# Altium PCB STM32_PLC.PcbDoc (part 3 of 3)
Units mm, origin at the board's own origin, x right, y up, seen from the top; angles counter-clockwise.
Board outline 150 x 150 mm, 4 copper layers ([L1] TOP, [L2] GND, [L3] POWER, [L4] BOTTOM), stack 1.58 mm thick; 307 components, 251 nets, 964 pads, 318 vias.
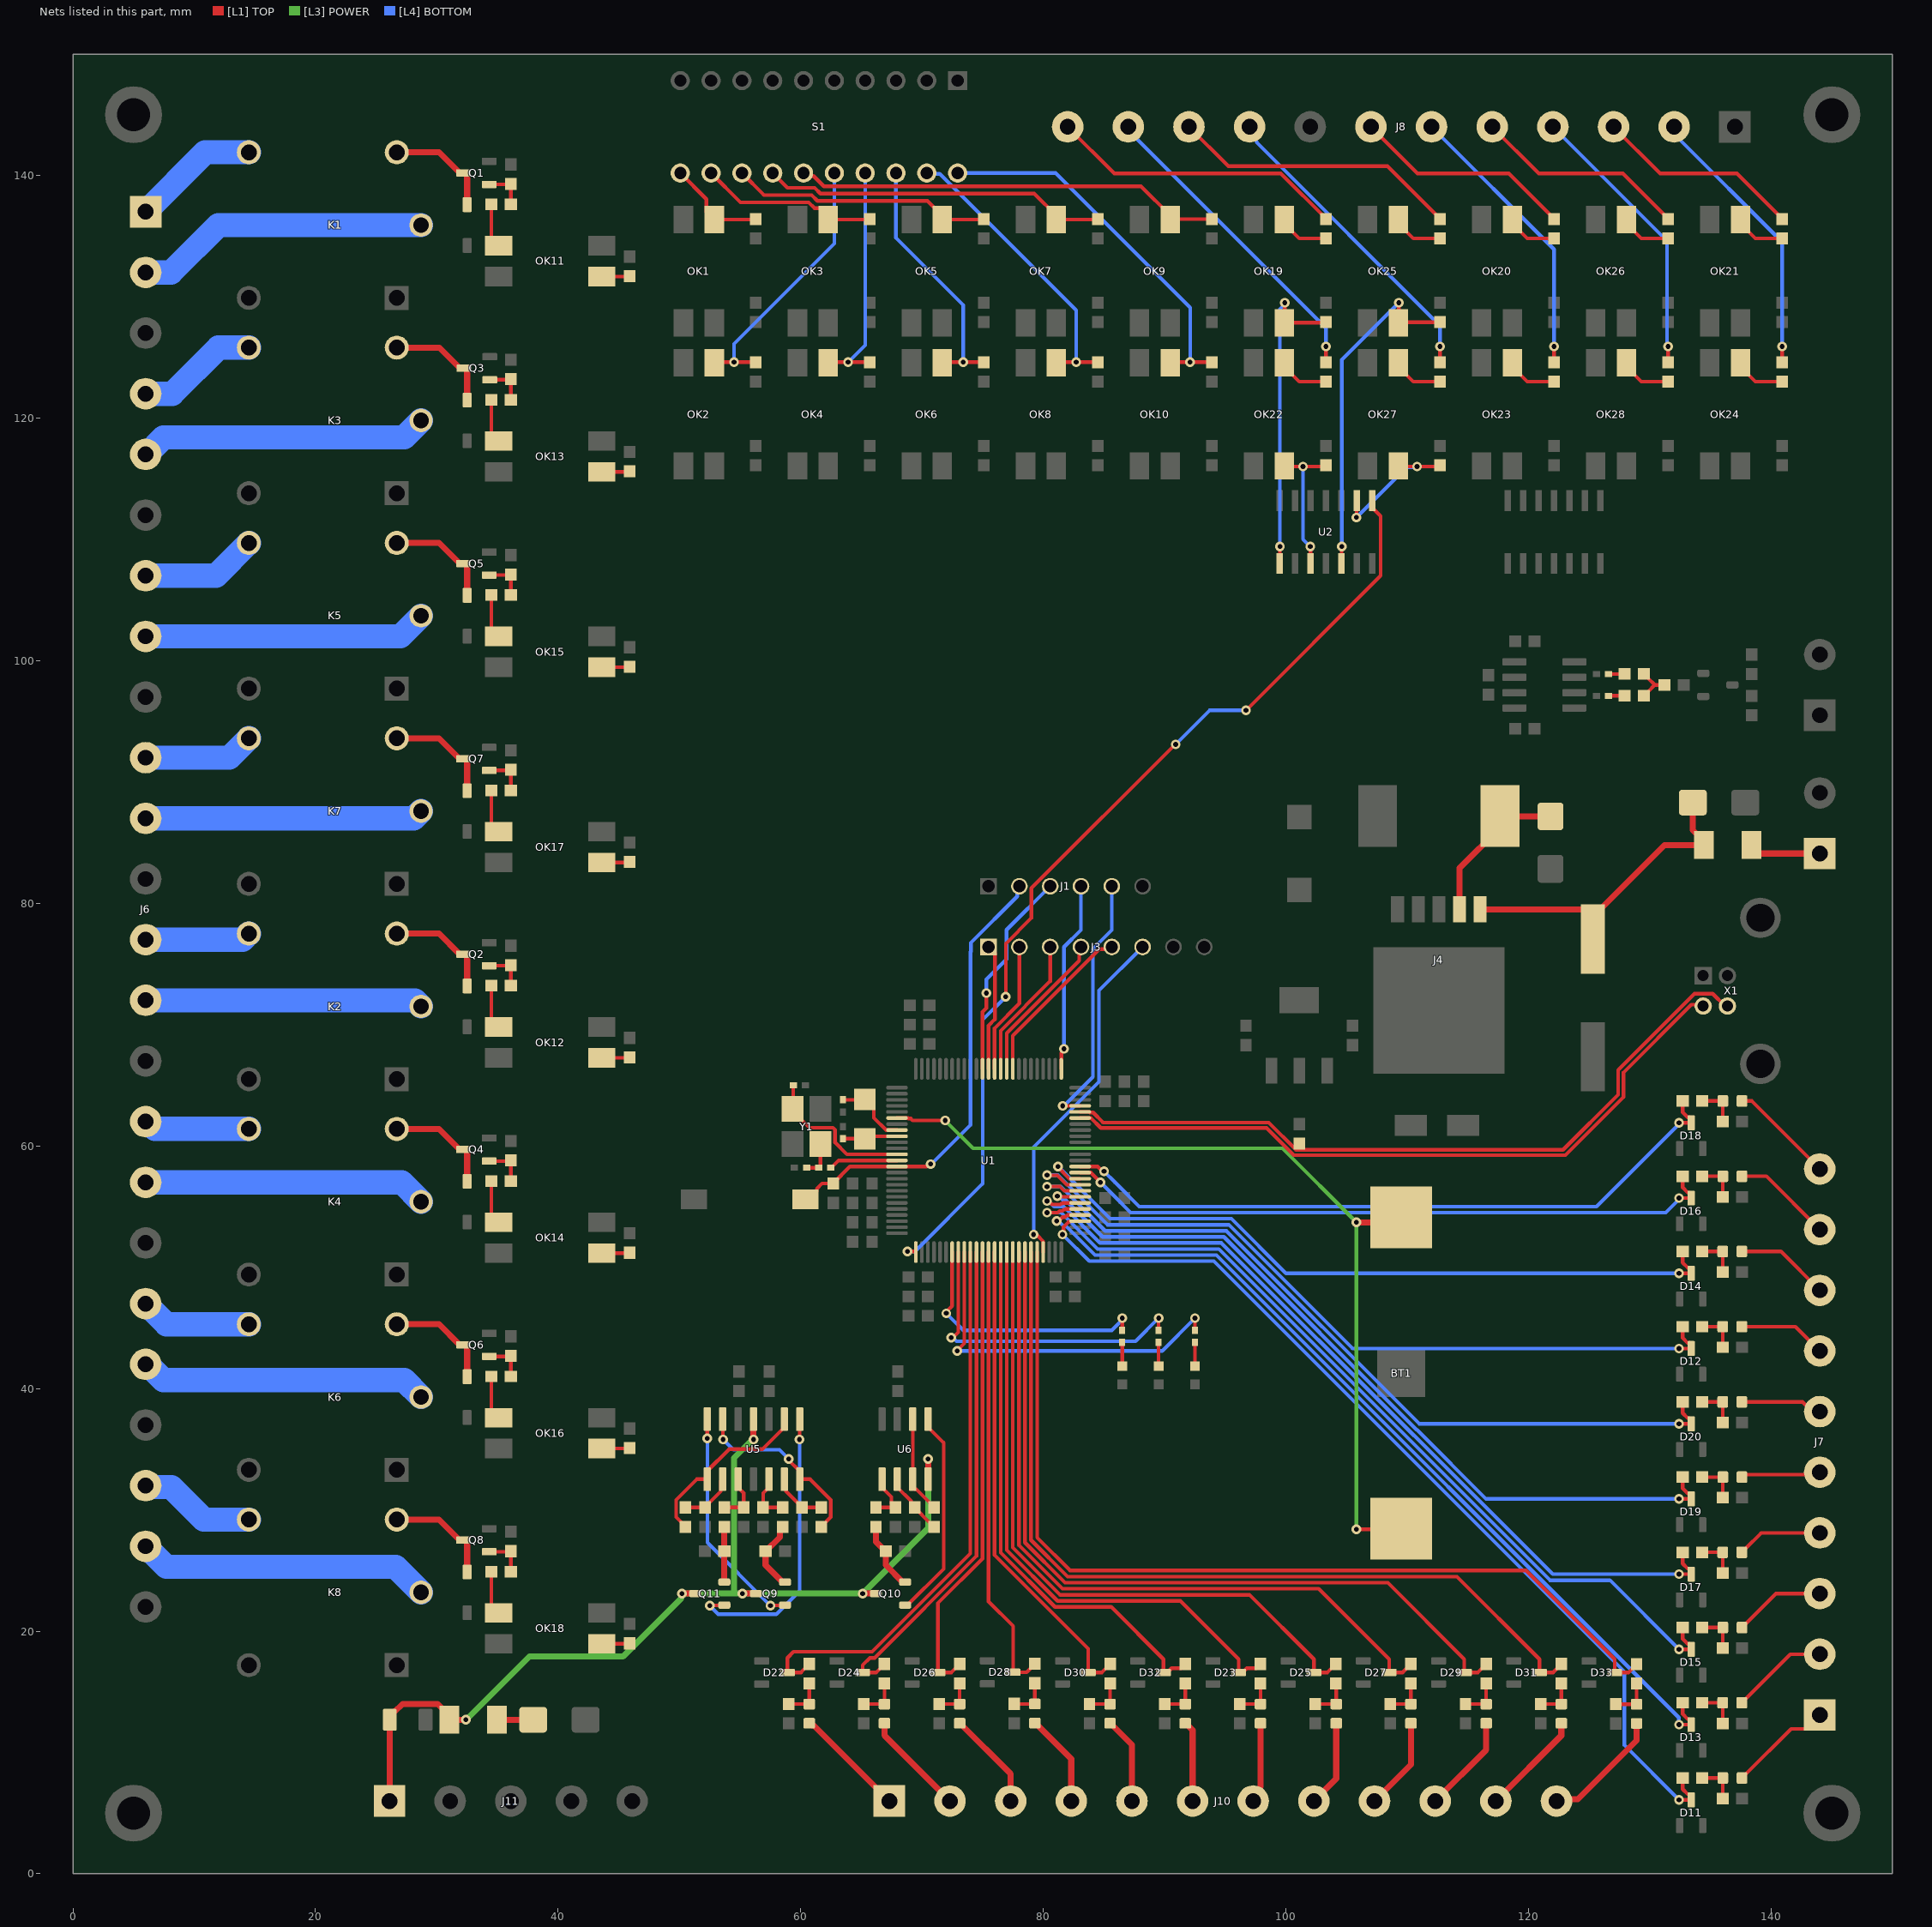
[diagram p5: the nets of this part, all layers, seen from the top]

## Via types
v1: diameter 0.8, hole 0.4, [L1] TOP to [L4] BOTTOM, 318 vias

## Nets (pads, with @x,y where several pads share a name; then routed paths per layer and width w, separated by ;. In a path a pad name is that pad's centre, name@x,y a point inside that pad or via, vN(x,y) a via of type N, cw(c..) or ccw(c..) an arc to the next point about the centre after c; other vN are vias at no path point) (continued)
IC3: U1.26 U2.8 | length 81.2
  [L1] TOP w0.3: v1(68.8,51.3) 69.48,51.3 U1.26@69.48,51.25 ; v1(76.9,72.3) 76.9,76.673 79.005,78.778 79.005,81.238 90.867,93.1 v1(90.9,93.1) ; v1(96.7,95.9) 107.8,107 107.8,111.917 107.11,112.607 U2.8@107.11,113.191
  [L4] BOTTOM w0.3: v1(68.8,51.3) 69.407,51.3 75,56.893 75,69.2 75,70.4 v1(76.9,72.3) ; v1(90.9,93.1) 93.7,95.9 v1(96.7,95.9)
IC_0: OK19.4 R67.1 U2.1 | length 26.8
  [L1] TOP w0.3: U2.1@99.49,108.009 99.495,108.014 99.495,109.395 v1(99.5,109.4) ; v1(99.9,129.5) 99.9,127.88 OK19.4@99.87,127.85 103.25,127.85 R67.1@103.3,127.9
  [L4] BOTTOM w0.3: v1(99.5,109.4) 99.5,128.965 99.9,129.365 v1(99.9,129.5)
IC_1: OK22.4 R73.1 U2.3 | length 11.7
  [L1] TOP w0.3: OK22.4@99.87,116.05 99.92,116 v1(101.4,116) 103.2,116 R73.1@103.25,116.05 ; v1(102,109.4) 102.015,109.385 102.015,108.024 U2.3@102.03,108.009
  [L4] BOTTOM w0.3: v1(101.4,116) 101.4,110.002 v1(102,109.4) v1(102,109.4)
IC_2: OK25.4 R79.1 U2.5 | length 28.6
  [L1] TOP w0.3: U2.5@104.57,108.009 104.585,108.024 104.585,109.385 v1(104.6,109.4) ; v1(109.3,129.5) 109.3,127.88 OK25.4@109.27,127.85 109.32,127.9 R79.1@112.7,127.9
  [L4] BOTTOM w0.3: v1(104.6,109.4) 104.6,124.8 v1(109.3,129.5)
IC_3: OK27.4 R83.1 U2.9 | length 11.6
  [L1] TOP w0.3: v1(105.8,111.8) 105.82,111.82 105.82,113.171 U2.9@105.84,113.191 ; OK27.4@109.27,116.05 109.32,116 v1(110.8,116) 112.6,116 R83.1@112.65,116.05
  [L4] BOTTOM w0.3: v1(105.8,111.8) 109.95,115.95 110.75,115.95 v1(110.8,116)
LED_CAN: R131.1 U1.33 | length 26.4
  [L1] TOP w0.3: v1(72.4,44.2) 72.535,44.2 72.98,44.645 U1.33@72.98,51.25 ; R131.1@89.5,44.8 v1(89.5,45.8)
  [L4] BOTTOM w0.3: v1(72.4,44.2) 72.535,44.2 72.835,43.9 87.6,43.9 v1(89.5,45.8)
LED_ERROR: R132.1 U1.34 | length 30.1
  [L1] TOP w0.3: v1(72.9,43.1) 72.9,43.142 73.48,43.722 U1.34@73.48,51.25 ; R132.1@92.5,44.8 v1(92.5,45.8)
  [L4] BOTTOM w0.3: v1(72.9,43.1) 89.8,43.1 v1(92.5,45.8)
LED_USB: R130.1 U1.32 | length 21.8
  [L1] TOP w0.3: v1(72,46.2) 72,46.335 72.48,46.815 72.48,48.4 U1.32@72.48,51.25 ; R130.1@86.5,44.8 v1(86.5,45.8)
  [L4] BOTTOM w0.3: v1(72,46.2) 73.4,44.8 85.635,44.8 86.5,45.665 v1(86.5,45.8)
NC0: J6.2 K1.COM | length 24.3
  [L4] BOTTOM w2: J6.2@6,132 8.1,132 12,135.9 K1.COM@28.7,135.9
NC1: J6.5 K3.COM | length 23.9
  [L4] BOTTOM w2: J6.5@6,117 6.072,117 7.472,118.4 27.3,118.4 K3.COM@28.7,119.8
NC2: J6.8 K5.COM | length 23.4
  [L4] BOTTOM w2: J6.8@6,102 27,102 K5.COM@28.7,103.7
NC3: J6.11 K7.COM | length 22.9
  [L4] BOTTOM w2: J6.11@6,87 28.1,87 K7.COM@28.7,87.6
NC4: J6.14 K2.COM | length 22.9
  [L4] BOTTOM w2: J6.14@6,72 28.2,72 K2.COM@28.7,71.5
NC5: J6.17 K4.COM | length 23.4
  [L4] BOTTOM w2: J6.17@6,57 27.1,57 K4.COM@28.7,55.4
NC6: J6.20 K6.COM | length 23.8
  [L4] BOTTOM w2: J6.20@6,42 6.162,42 7.462,40.7 27.3,40.7 K6.COM@28.7,39.3
NC7: J6.23 K8.COM | length 24.3
  [L4] BOTTOM w2: J6.23@6,27 7.7,25.3 26.6,25.3 K8.COM@28.7,23.2
NetBT1_P1: BT1.P1 BT1.P2 U1.6 | length 74.3
  [L1] TOP w0.3: U1.6@67.93,62.3 68.843,62.3 68.893,62.25 69.073,62.25 69.223,62.1 v1(71.9,62.1) ; v1(105.8,28.4) 109.45,28.4 BT1.P1@109.5,28.45
  [L1] TOP w0.5: v1(105.8,53.7) 109.1,53.7 BT1.P2@109.5,54.1
  [L3] POWER w0.3: v1(71.9,62.1) 74.2,59.8 99.7,59.8 v1(105.8,53.7) v1(105.8,28.4)
NetC21_1: C21.1 R2.1 Y1.3 | length 3
  [L1] TOP w0.3: C21.1@60.48,58.2 R2.1@61.48,58.2 ; R2.1@61.53,58.2 61.63,58.3 Y1.3@61.63,60.15
NetC27_1: C27.1 D1.C F1.1 J4.1 | length 28.6
  [L1] TOP w0.5: J4.1@116.004,79.491 124.55,79.491 125.3,78.741 C27.1@125.3,77.05 125.3,78.9 131.2,84.8 F1.1@134.444,84.8 134.444,85.13 133.54,86.034 D1.C@133.54,88.3
NetC32_2: C32.2 R88.1 R89.2 | length 3.4
  [L1] TOP w0.3: R89.2@129.5,97.1 129.525,97.1 129.85,97.425 129.85,97.45 130.4,98 ; R88.1@129.5,98.9 129.525,98.9 129.85,98.575 129.85,98.55 130.4,98 ; C32.2@131.2,98 130.4,98
NetD2_C: D2.C J4.2 L1.1 | length 13.3
  [L1] TOP w0.5: J4.2@114.302,79.491 114.302,82.902 117.65,86.25 L1.1@117.65,87.2 117.69,87.16 D2.C@121.8,87.16
NetD3_A: D3.A K1.A2 Q1.3 | length 9.1
  [L1] TOP w0.5: K1.A2@26.7,141.9 30.185,141.9 31.885,140.2 Q1.3@32.2,140.2 32.45,140.2 32.5,140.15 D3.A@32.5,137.58
NetD4_A: D4.A K2.A2 Q2.3 | length 9.1
  [L1] TOP w0.5: K2.A2@26.7,77.5 30.185,77.5 31.885,75.8 Q2.3@32.2,75.8 32.45,75.8 32.5,75.75 D4.A@32.5,73.18
NetD5_A: D5.A K3.A2 Q3.3 | length 9.1
  [L1] TOP w0.5: K3.A2@26.7,125.8 30.225,125.8 31.925,124.1 Q3.3@32.24,124.1 32.45,124.1 32.5,124.05 D5.A@32.5,121.48
NetD6_A: D6.A K4.A2 Q4.3 | length 9.1
  [L1] TOP w0.5: K4.A2@26.7,61.4 30.185,61.4 31.885,59.7 Q4.3@32.2,59.7 32.45,59.7 32.5,59.65 D6.A@32.5,57.08
NetD7_A: D7.A K5.A2 Q5.3 | length 9.1
  [L1] TOP w0.5: K5.A2@26.7,109.7 30.185,109.7 31.885,108 Q5.3@32.2,108 32.45,108 32.5,107.95 D7.A@32.5,105.38
NetD8_A: D8.A K6.A2 Q6.3 | length 9.1
  [L1] TOP w0.5: K6.A2@26.7,45.3 30.185,45.3 31.885,43.6 Q6.3@32.2,43.6 32.45,43.6 32.5,43.55 D8.A@32.5,40.98
NetD9_A: D9.A K7.A2 Q7.3 | length 9.1
  [L1] TOP w0.5: K7.A2@26.7,93.6 30.185,93.6 31.885,91.9 Q7.3@32.2,91.9 32.45,91.9 32.5,91.85 D9.A@32.5,89.28
NetD10_A: D10.A K8.A2 Q8.3 | length 9.1
  [L1] TOP w0.5: K8.A2@26.7,29.2 30.185,29.2 31.885,27.5 Q8.3@32.2,27.5 32.45,27.5 32.5,27.45 D10.A@32.5,24.88
NetD34_C: D34.C F24.1 | length 3
  [L1] TOP w0.5: F24.1@34.956,12.7 D34.C@37.94,12.7
NetDS1_1: DS1.1 R130.2 | length 1.9
  [L1] TOP w0.3: DS1.1@86.5,41.85 R130.2@86.5,43.8
NetDS2_1: DS2.1 R131.2 | length 1.9
  [L1] TOP w0.3: DS2.1@89.5,41.85 R131.2@89.5,43.8
NetDS3_1: DS3.1 R132.2 | length 2
  [L1] TOP w0.3: DS3.1@92.5,41.85 R132.2@92.5,43.8
NetF1_2: F1.2 J5.1 | length 6
  [L1] TOP w0.5: F1.2@138.356,84.8 138.356,84.663 138.919,84.1 J5.1@144,84.1
NetF2_2: F2.2 R47.1 R49.2 | length 3.4
  [L1] TOP w0.3: R47.1@134.3,7.9 F2.2@136.013,7.9 136.013,6.212 R49.2@136,6.2
NetF3_2: F3.2 R48.1 R50.2 | length 3.4
  [L1] TOP w0.3: R48.1@134.3,45.1 F3.2@136,45.1 R50.2@136,43.4
NetF4_2: F4.2 R51.1 R53.2 | length 3.4
  [L1] TOP w0.3: R51.1@134.3,14.1 F4.2@136,14.1 R53.2@136,12.4
NetF5_2: F5.2 R52.1 R54.2 | length 3.4
  [L1] TOP w0.3: R52.1@134.3,51.3 F5.2@136,51.3 R54.2@136,49.6
NetF6_2: F6.2 R55.1 R57.2 | length 3.4
  [L1] TOP w0.3: R55.1@134.3,20.3 F6.2@136.012,20.3 136.012,18.612 R57.2@136,18.6
NetF7_2: F7.2 R56.1 R58.2 | length 3.4
  [L1] TOP w0.3: R56.1@134.3,57.5 F7.2@136.012,57.5 136.012,55.812 R58.2@136,55.8
NetF8_2: F8.2 R59.1 R61.2 | length 3.4
  [L1] TOP w0.3: R59.1@134.3,26.5 F8.2@136,26.5 R61.2@136,24.8
NetF9_2: F9.2 R60.1 R62.2 | length 3.4
  [L1] TOP w0.3: R60.1@134.3,63.7 F9.2@136.012,63.7 136.012,62.012 R62.2@136,62
NetF10_2: F10.2 R63.1 R64.2 | length 3.4
  [L1] TOP w0.3: R63.1@134.3,32.7 F10.2@136.012,32.7 136.012,31.013 R64.2@136,31
NetF11_2: F11.2 R65.1 R66.2 | length 3.4
  [L1] TOP w0.3: R65.1@134.3,38.9 F11.2@136,38.9 R66.2@136,37.2
NetF12_2: F12.2 R91.1 R93.2 | length 3.4
  [L1] TOP w0.3: R93.2@59,14 59.013,13.987 F12.2@60.699,13.987 60.699,15.699 R91.1@60.7,15.7
NetF13_2: F13.2 R92.1 R94.2 | length 3.4
  [L1] TOP w0.3: R94.2@96.2,14 96.213,13.987 F13.2@97.899,13.987 97.899,15.699 R92.1@97.9,15.7
NetF14_2: F14.2 R95.1 R97.2 | length 3.4
  [L1] TOP w0.3: R97.2@65.2,14 65.213,13.987 F14.2@66.899,13.987 R95.1@66.899,15.699
NetF15_2: F15.2 R96.1 R98.2 | length 3.5
  [L1] TOP w0.3: R98.2@102.4,14 102.412,13.988 F15.2@104.14,13.988 104.14,15.66 R96.1@104.1,15.7
NetF16_2: F16.2 R99.1 R101.2 | length 3.4
  [L1] TOP w0.3: R101.2@71.4,14 71.413,13.987 F16.2@73.099,13.987 R99.1@73.099,15.699
NetF17_2: F17.2 R100.1 R102.2 | length 3.4
  [L1] TOP w0.3: R102.2@108.6,14 108.612,13.987 F17.2@110.3,13.987 R100.1@110.3,15.7
NetF18_2: F18.2 R103.1 R105.2 | length 3.4
  [L1] TOP w0.3: R105.2@77.601,14.013 77.614,14 F18.2@79.3,14 R103.1@79.301,15.713
NetF19_2: F19.2 R104.1 R106.2 | length 3.4
  [L1] TOP w0.3: R106.2@114.8,14 114.813,13.987 F19.2@116.5,13.987 R104.1@116.5,15.7
NetF20_2: F20.2 R107.1 R109.2 | length 3.4
  [L1] TOP w0.3: R109.2@83.8,14 83.813,13.987 F20.2@85.499,13.987 R107.1@85.5,15.7
NetF21_2: F21.2 R108.1 R110.2 | length 3.4
  [L1] TOP w0.3: R110.2@121,14 121.012,13.987 F21.2@122.7,13.987 R108.1@122.7,15.7
NetF22_2: F22.2 R111.1 R113.2 | length 3.4
  [L1] TOP w0.3: R113.2@90,14 90.013,13.987 F22.2@91.7,13.987 R111.1@91.7,15.7
NetF23_2: F23.2 R112.1 R114.2 | length 3.4
  [L1] TOP w0.3: R114.2@127.2,13.987 127.213,13.975 F23.2@128.9,13.975 R112.1@128.9,15.687
NetOK11_1: OK11.1 R23.1 | length 2.3
  [L1] TOP w0.3: OK11.1@43.6,131.66 45.86,131.66 R23.1@45.9,131.7
NetOK11_3: OK11.3 R25.2 | length 3.6
  [L1] TOP w0.3: R25.2@34.5,137.6 34.5,134.8 OK11.3@35.1,134.2
NetOK12_1: OK12.1 R24.1 | length 2.3
  [L1] TOP w0.3: OK12.1@43.6,67.26 45.86,67.26 R24.1@45.9,67.3
NetOK12_3: OK12.3 R26.2 | length 3.6
  [L1] TOP w0.3: R26.2@34.5,73.2 34.5,70.4 OK12.3@35.1,69.8
NetOK13_1: OK13.1 R29.1 | length 2.3
  [L1] TOP w0.3: OK13.1@43.6,115.56 45.86,115.56 R29.1@45.9,115.6
NetOK13_3: OK13.3 R31.2 | length 3.6
  [L1] TOP w0.3: R31.2@34.5,121.5 34.5,118.7 OK13.3@35.1,118.1
NetOK14_1: OK14.1 R30.1 | length 2.3
  [L1] TOP w0.3: OK14.1@43.6,51.16 45.86,51.16 R30.1@45.9,51.2
NetOK14_3: OK14.3 R32.2 | length 3.6
  [L1] TOP w0.3: R32.2@34.5,57.1 34.5,54.3 OK14.3@35.1,53.7
NetOK15_1: OK15.1 R35.1 | length 2.3
  [L1] TOP w0.3: OK15.1@43.6,99.46 45.86,99.46 R35.1@45.9,99.5
NetOK15_3: OK15.3 R37.2 | length 3.6
  [L1] TOP w0.3: R37.2@34.5,105.4 34.5,102.6 OK15.3@35.1,102
NetOK16_1: OK16.1 R36.1 | length 2.3
  [L1] TOP w0.3: OK16.1@43.6,35.06 45.86,35.06 R36.1@45.9,35.1
NetOK16_3: OK16.3 R38.2 | length 3.6
  [L1] TOP w0.3: R38.2@34.5,41 34.5,38.2 OK16.3@35.1,37.6
NetOK17_1: OK17.1 R41.1 | length 2.3
  [L1] TOP w0.3: OK17.1@43.6,83.36 45.86,83.36 R41.1@45.9,83.4
NetOK17_3: OK17.3 R43.2 | length 3.6
  [L1] TOP w0.3: R43.2@34.5,89.3 34.5,86.5 OK17.3@35.1,85.9
NetOK18_1: OK18.1 R42.1 | length 2.3
  [L1] TOP w0.3: OK18.1@43.6,18.96 45.86,18.96 R42.1@45.9,19
NetOK18_3: OK18.3 R44.2 | length 3.6
  [L1] TOP w0.3: R44.2@34.5,24.9 34.5,22.1 OK18.3@35.1,21.5
NetOK19_1: OK19.1 R70.2 | length 4.3
  [L1] TOP w0.3: OK19.1@99.87,136.35 99.87,136.025 101.095,134.8 R70.2@103.3,134.8
NetOK20_1: OK20.1 R71.2 | length 4.3
  [L1] TOP w0.3: OK20.1@118.67,136.35 118.67,136.025 119.895,134.8 R71.2@122.1,134.8
NetOK21_1: OK21.1 R72.2 | length 4.3
  [L1] TOP w0.3: OK21.1@137.47,136.35 137.47,136.025 138.695,134.8 R72.2@140.9,134.8
NetOK22_1: OK22.1 R76.2 | length 4.3
  [L1] TOP w0.3: OK22.1@99.87,124.55 99.87,124.225 101.095,123 R76.2@103.3,123
NetOK23_1: OK23.1 R77.2 | length 4.3
  [L1] TOP w0.3: OK23.1@118.67,124.55 118.67,124.225 119.895,123 R77.2@122.1,123
NetOK24_1: OK24.1 R78.2 | length 4.3
  [L1] TOP w0.3: OK24.1@137.47,124.55 137.47,124.225 138.695,123 R78.2@140.9,123
NetOK25_1: OK25.1 R81.2 | length 4.3
  [L1] TOP w0.3: OK25.1@109.27,136.35 109.27,136.025 110.495,134.8 R81.2@112.7,134.8
NetOK26_1: OK26.1 R82.2 | length 4.3
  [L1] TOP w0.3: OK26.1@128.07,136.35 128.07,136.025 129.295,134.8 R82.2@131.5,134.8
NetOK27_1: OK27.1 R85.2 | length 4.3
  [L1] TOP w0.3: OK27.1@109.27,124.55 109.27,124.225 110.495,123 R85.2@112.7,123
NetOK28_1: OK28.1 R86.2 | length 4.3
  [L1] TOP w0.3: OK28.1@128.07,124.55 128.07,124.225 129.295,123 R86.2@131.5,123
NetQ1_1: Q1.1 R25.1 R27.1 | length 3.5
  [L1] TOP w0.3: Q1.1@34.32,139.25 36.05,139.25 R27.1@36.1,139.3 R25.1@36.1,137.6
NetQ2_1: Q2.1 R26.1 R28.1 | length 3.5
  [L1] TOP w0.3: Q2.1@34.32,74.85 36.05,74.85 R28.1@36.1,74.9 R26.1@36.1,73.2
NetQ3_1: Q3.1 R31.1 R33.1 | length 3.5
  [L1] TOP w0.3: Q3.1@34.36,123.15 36.05,123.15 R33.1@36.1,123.2 R31.1@36.1,121.5
NetQ4_1: Q4.1 R32.1 R34.1 | length 3.5
  [L1] TOP w0.3: Q4.1@34.32,58.75 36.05,58.75 R34.1@36.1,58.8 R32.1@36.1,57.1
NetQ5_1: Q5.1 R37.1 R39.1 | length 3.5
  [L1] TOP w0.3: Q5.1@34.32,107.05 36.05,107.05 R39.1@36.1,107.1 R37.1@36.1,105.4
NetQ6_1: Q6.1 R38.1 R40.1 | length 3.5
  [L1] TOP w0.3: Q6.1@34.32,42.65 36.05,42.65 R40.1@36.1,42.7 R38.1@36.1,41
NetQ7_1: Q7.1 R43.1 R45.1 | length 3.5
  [L1] TOP w0.3: Q7.1@34.32,90.95 36.05,90.95 R45.1@36.1,91 R43.1@36.1,89.3
NetQ8_1: Q8.1 R44.1 R46.1 | length 3.5
  [L1] TOP w0.3: Q8.1@34.32,26.55 36.05,26.55 R46.1@36.1,26.6 R44.1@36.1,24.9
NetQ9_1: Q9.1 U5.7 | length 18.8
  [L1] TOP w0.3: U5.7@52.29,37.475 52.295,37.47 52.295,35.905 v1(52.3,35.9) ; v1(57.5,22.1) 57.525,22.125 58.675,22.125 Q9.1@58.7,22.15
  [L4] BOTTOM w0.3: v1(52.3,35.9) 52.3,27.3 v1(57.5,22.1)
NetQ9_2: Q9.2 R115.2 R117.2 | length 5.9
  [L1] TOP w0.5: R117.2@57.1,26.6 57.1,25.45 58.5,24.05 Q9.2@58.7,24.05 ; R117.2@57.125,26.6 58.275,27.75 58.275,28.375 R115.2@58.5,28.6
NetQ10_1: Q10.1 U6.1 | length 17.3
  [L1] TOP w0.3: Q10.1@68.6,22.15 68.8,22.15 71.775,25.125 71.775,35.53 70.505,36.8 U6.1@70.505,37.475
NetQ10_2: Q10.2 R116.2 R118.2 | length 5.7
  [L1] TOP w0.5: R116.2@66.2,28.6 66.2,27.375 66.975,26.6 R118.2@67,26.6 67,25.45 68.4,24.05 Q10.2@68.6,24.05
NetQ11_1: Q11.1 U5.1 | length 23.9
  [L1] TOP w0.3: v1(52.5,22.1) 52.525,22.125 53.675,22.125 Q11.1@53.7,22.15 ; v1(59.9,35.8) 59.905,35.805 59.905,37.47 U5.1@59.91,37.475
  [L4] BOTTOM w0.3: v1(52.5,22.1) 53.2,21.4 57.99,21.4 59.9,23.31 v1(59.9,35.8)
NetQ11_2: Q11.2 R125.2 R126.2 | length 4.6
  [L1] TOP w0.5: Q11.2@53.7,24.05 R126.2@53.7,26.6 R125.2@53.7,28.6
NetR87_1: R87.1 R88.2 | length 1.3
  [L1] TOP w0.3: R87.1@126.6,98.9 R88.2@127.9,98.9
NetR89_1: R89.1 R90.2 | length 1.3
  [L1] TOP w0.3: R90.2@126.6,97.1 R89.1@127.9,97.1
NetR115_1: R115.1 R119.2 U5.12 | length 4.1
  [L1] TOP w0.3: U5.12@57.37,32.525 57.37,31.85 56.9,31.38 R119.2@56.9,30.2 R115.1@58.5,30.2
NetR116_1: R116.1 R120.2 U6.5 | length 4.4
  [L1] TOP w0.3: R116.1@66.2,30.2 R120.2@67.8,30.2 67.475,30.525 67.475,31.07 66.695,31.85 U6.5@66.695,32.525
NetR121_1: R121.1 U5.6 U5.14 | length 15.6
  [L1] TOP w0.3: U5.6@53.56,37.475 53.58,37.455 53.58,35.82 v1(53.6,35.8) ; v1(59,34.2) 59,34.11 59.91,33.2 U5.14@59.91,32.525 60.774,32.525 62.475,30.824 62.475,29.4 61.7,28.625 R121.1@61.7,28.6
  [L4] BOTTOM w0.3: v1(53.6,35.8) 54.448,34.952 58.248,34.952 v1(59,34.2)
NetR121_2: R121.2 R122.1 U5.13 | length 4.5
  [L1] TOP w0.3: U5.13@58.64,32.525 58.79,32.375 58.79,31.535 60.1,30.225 R122.1@60.1,30.2 R121.2@61.7,30.2
NetR123_1: R123.1 U6.2 U6.7 | length 8.1
  [L1] TOP w0.3: U6.2@69.235,37.475 U6.7@69.235,32.525 69.235,31.85 69.385,31.7 69.525,31.7 71,30.225 R123.1@71,30.2
NetR123_2: R123.2 R124.1 U6.6 | length 5.2
  [L1] TOP w0.3: U6.6@67.965,32.525 67.965,31.85 69.075,30.74 69.075,30.525 R124.1@69.4,30.2 69.4,30.175 70.625,28.95 70.675,28.95 71,28.625 R123.2@71,28.6
NetR125_1: R125.1 R127.2 U5.10 | length 4.1
  [L1] TOP w0.3: R125.1@53.7,30.2 R127.2@55.3,30.2 55.3,31.38 54.83,31.85 U5.10@54.83,32.525
NetR128_1: R128.1 U5.2 U5.8 | length 15
  [L1] TOP w0.3: R128.1@50.5,28.6 50.5,28.625 49.725,29.4 49.725,30.824 51.426,32.525 U5.8@52.29,32.525 52.29,33.2 54.09,35 56.84,35 58.64,36.8 U5.2@58.64,37.475
NetR128_2: R128.2 R129.1 U5.9 | length 4.5
  [L1] TOP w0.3: R128.2@50.5,30.2 R129.1@52.1,30.2 ; R129.1@52.1,30.225 53.41,31.535 53.41,32.375 U5.9@53.56,32.525
NO0: J6.1 K1.NO | length 10.5
  [L4] BOTTOM w2: J6.1@6,137 10.9,141.9 K1.NO@14.5,141.9
NO1: J6.4 K3.NO | length 10.1
  [L4] BOTTOM w2: J6.4@6,122 8.2,122 12,125.8 K3.NO@14.5,125.8
NO2: J6.7 K5.NO | length 9.6
  [L4] BOTTOM w2: J6.7@6,107 11.8,107 K5.NO@14.5,109.7
NO3: J6.10 K7.NO | length 9.2
  [L4] BOTTOM w2: J6.10@6,92 12.9,92 K7.NO@14.5,93.6
NO4: J6.13 K2.NO | length 8.7
  [L4] BOTTOM w2: J6.13@6,77 14,77 K2.NO@14.5,77.5
NO5: J6.16 K4.NO | length 8.7
  [L4] BOTTOM w2: J6.16@6,62 6.162,62 6.762,61.4 K4.NO@14.5,61.4
NO6: J6.19 K6.NO | length 9.2
  [L4] BOTTOM w2: J6.19@6,47 7.7,45.3 K6.NO@14.5,45.3
NO7: J6.22 K8.NO | length 9.7
  [L4] BOTTOM w2: J6.22@6,32 6.115,31.885 8.115,31.885 10.8,29.2 K8.NO@14.5,29.2
NRST: C20.1 J1.02 RESET.2 U1.14 | length 37.6
  [L1] TOP w0.3: RESET.2@60.38,55.6 60.67,55.6 61.32,56.25 61.32,56.465 61.755,56.9 C20.1@62.68,56.9 ; C20.1@62.68,56.925 64.055,58.3 U1.14@67.93,58.3 70.365,58.3 70.565,58.5 v1(70.7,58.5)
  [L4] BOTTOM w0.3: v1(70.7,58.5) 70.765,58.5 74,61.735 74,69.2 74,76.007 74.021,76.029 74.021,76.736 77.85,80.565 77.85,81.23 J1.02@78.02,81.4
OSC32_IN: C13.1 U1.8 Y2.1 | length 6
  [L1] TOP w0.3: C13.1@63.48,63.8 65.28,63.8 65.305,63.825 66.03,63.1 66.03,62.314 67.044,61.3 U1.8@67.93,61.3
OSC32_OUT: C22.1 U1.9 Y2.2 | length 4.6
  [L1] TOP w0.3: C22.1@63.48,60.6 65.255,60.6 Y2.2@65.28,60.575 65.505,60.8 U1.9@67.93,60.8
OSC_IN: C12.1 U1.12 Y1.1 | length 12.7
  [L1] TOP w0.3: Y1.1@59.33,62.9 60.73,61.5 62.654,61.5 62.83,61.324 62.83,60.276 63.806,59.3 U1.12@67.93,59.3 ; Y1.1@59.33,63.05 59.38,63.1 C12.1@59.38,65
OSC_OUT: R2.2 U1.13 | length 5.7
  [L1] TOP w0.3: R2.2@62.48,58.2 62.53,58.2 63.13,58.8 U1.13@67.93,58.8
SDADC1_AIN0P: D27.3 R100.2 U1.43 | length 61.8
  [L1] TOP w0.3: U1.43@77.98,51.25 77.98,48.4 77.98,27.099 81.581,23.498 102.692,23.498 108.5,17.69 D27.3@108.5,16.6 109.625,16.6 110.3,17.275 R100.2@110.3,17.3
SDADC1_AIN1P: D25.3 R96.2 U1.42 | length 56.2
  [L1] TOP w0.3: U1.42@77.48,51.25 77.48,48.4 77.48,26.892 81.374,22.998 96.992,22.998 102.3,17.69 D25.3@102.3,16.6 103.425,16.6 104.1,17.275 R96.2@104.1,17.3
SDADC1_AIN2P: D23.3 R92.2 U1.41 | length 50.6
  [L1] TOP w0.3: U1.41@76.98,51.25 76.98,26.684 81.167,22.498 91.292,22.498 96.1,17.69 D23.3@96.1,16.6 96.415,16.6 96.765,16.95 97.575,16.95 97.9,17.275 R92.2@97.9,17.3
SDADC1_AIN3P: D28.3 R103.2 U1.38 | length 37.6
  [L1] TOP w0.3: U1.38@75.48,51.25 75.48,49.727 75.48,48.4 75.48,22.438 77.501,20.417 D28.3@77.501,16.613 78.626,16.613 79.301,17.288 R103.2@79.301,17.313
SDADC1_AIN4P: D26.3 R99.2 U1.37 | length 38.3
  [L1] TOP w0.3: R99.2@73.1,17.3 73.1,17.275 72.425,16.6 71.69,16.6 D26.3@71.3,16.6 71.3,22.299 74.98,25.979 74.98,48.4 74.98,49.52 U1.37@74.98,51.25
SDADC1_AIN5P: D24.3 R95.2 U1.36 | length 40.9
  [L1] TOP w0.3: R95.2@66.9,17.3 66.9,17.275 66.225,16.6 65.565,16.6 65.415,16.6 D24.3@65.1,16.6 65.1,17.2 65.7,17.8 66.094,17.8 74.48,26.187 74.48,48.4 74.48,49.313 U1.36@74.48,51.25
SDADC1_AIN6P: D22.3 R91.2 U1.35 | length 46.8
  [L1] TOP w0.3: R91.2@60.7,17.3 60.7,17.275 60.025,16.6 D22.3@58.9,16.6 58.9,17.8 59.4,18.3 65.886,18.3 73.98,26.394 73.98,48.4 73.98,49.106 U1.35@73.98,51.25
SDADC1_AIN7P: D32.3 R111.2 U1.40 | length 45
  [L1] TOP w0.3: U1.40@76.48,51.25 76.48,26.477 80.96,21.998 85.592,21.998 89.9,17.69 D32.3@89.9,16.6 90.215,16.6 90.565,16.95 91.375,16.95 91.7,17.275 R111.2@91.7,17.3
SDADC1_AIN8P: D30.3 R107.2 U1.39 | length 40
  [L1] TOP w0.3: U1.39@75.98,51.25 75.98,49.934 75.98,48.4 75.98,26.27 83.7,18.55 D30.3@83.7,16.6 84.825,16.6 85.5,17.275 R107.2@85.5,17.3
SDADC2_AIN0P: D33.3 R112.2 U1.46 | length 78.5
  [L1] TOP w0.3: U1.46@79.48,51.25 79.48,48.4 79.48,27.72 82.2,25 119.79,25 127.1,17.69 D33.3@127.1,16.587 128.225,16.587 128.9,17.262 R112.2@128.9,17.287
SDADC2_AIN1P: D31.3 R108.2 U1.45 | length 72.9
  [L1] TOP w0.3: U1.45@78.98,51.25 78.98,48.4 78.98,27.513 81.993,24.5 114.09,24.5 120.9,17.69 D31.3@120.9,16.6 122.025,16.6 122.7,17.275 R108.2@122.7,17.3
SDADC2_AIN2P: D29.3 R104.2 U1.44 | length 67.3
  [L1] TOP w0.3: U1.44@78.48,51.25 78.48,48.4 78.48,27.306 81.788,23.998 108.392,23.998 114.7,17.69 D29.3@114.7,16.6 115.825,16.6 116.5,17.275 R104.2@116.5,17.3
SDADC3_AIN0M: D18.3 R60.2 U1.62 | length 56.8
  [L1] TOP w0.3: U1.62@83.03,58.3 84.465,58.3 84.863,57.902 v1(84.998,57.902) ; v1(132.4,61.9) D18.3@133.4,61.9 133.4,62.215 133.25,62.365 133.11,62.365 132.7,62.775 R60.2@132.7,63.7
  [L4] BOTTOM w0.3: v1(84.998,57.902) 85.9,57 87.9,55 125.6,55 132.4,61.8 v1(132.4,61.9)
SDADC3_AIN0P: D16.3 R56.2 U1.61 | length 54.5
  [L1] TOP w0.3: U1.61@83.03,57.8 83.916,57.8 84.7,57.016 v1(84.7,57) ; v1(132.4,55.7) D16.3@133.4,55.7 133.4,56.015 133.25,56.165 133.11,56.165 132.7,56.575 R56.2@132.7,57.5
  [L4] BOTTOM w0.3: v1(84.7,57) 85.9,55.8 87.2,54.5 131.306,54.5 132.4,55.594 v1(132.4,55.7)
SDADC3_AIN2M: D14.3 R52.2 U1.60 | length 60.3
  [L1] TOP w0.3: v1(81.2,58.3) 81.2,58.244 82.144,57.3 U1.60@83.03,57.3 ; v1(132.4,49.5) D14.3@133.4,49.5 133.4,49.815 133.25,49.965 133.11,49.965 132.7,50.375 R52.2@132.7,51.3
  [L4] BOTTOM w0.3: v1(81.2,58.3) 85.5,54 85.9,54 95.5,54 100,49.5 v1(132.4,49.5)
SDADC3_AIN2P: D12.3 R48.2 U1.59 | length 64.3
  [L1] TOP w0.3: v1(80.3,57.6) 80.33,57.57 81.15,57.57 81.92,56.8 U1.59@83.03,56.8 ; v1(132.4,43.3) D12.3@133.4,43.3 133.4,43.615 133.25,43.765 133.11,43.765 132.7,44.175 R48.2@132.7,45.1
  [L4] BOTTOM w0.3: v1(80.3,57.6) 81.193,57.6 85.293,53.5 85.9,53.5 95.293,53.5 105.493,43.3 v1(132.4,43.3)
SDADC3_AIN4M: D20.3 R65.2 U1.58 | length 66.2
  [L1] TOP w0.3: v1(80.3,56.65) 81.363,56.65 81.713,56.3 U1.58@83.03,56.3 ; v1(132.4,37.1) D20.3@133.4,37.1 133.4,37.415 133.25,37.565 133.11,37.565 132.7,37.975 R65.2@132.7,38.9
  [L4] BOTTOM w0.3: v1(80.3,56.65) 81.436,56.65 85.086,53 85.9,53 95.086,53 110.986,37.1 v1(132.4,37.1)
SDADC3_AIN4P: D19.3 R63.2 U1.57 | length 66.7
  [L1] TOP w0.3: v1(81.151,55.872) 81.223,55.8 U1.57@83.03,55.8 ; v1(132.4,30.9) D19.3@133.4,30.9 133.4,31.215 133.25,31.365 133.11,31.365 132.7,31.775 R63.2@132.7,32.7
  [L4] BOTTOM w0.3: v1(81.151,55.872) 81.286,55.872 81.658,55.5 81.879,55.5 84.879,52.5 85.9,52.5 94.879,52.5 110.779,36.6 110.793,36.6 116.493,30.9 v1(132.4,30.9)
SDADC3_AIN6M: D17.3 R59.2 U1.56 | length 70.9
  [L1] TOP w0.3: v1(80.3,55.45) 80.435,55.45 80.713,55.172 81.394,55.172 81.472,55.25 81.575,55.25 81.625,55.3 U1.56@83.03,55.3 ; v1(132.4,24.7) D17.3@133.4,24.7 133.4,25.015 133.25,25.165 133.11,25.165 132.7,25.575 R59.2@132.7,26.5
  [L4] BOTTOM w0.3: v1(80.3,55.45) 80.435,55.45 80.885,55 81.672,55 84.672,52 85.9,52 94.672,52 110.572,36.1 110.586,36.1 121.986,24.7 v1(132.4,24.7)
SDADC3_AIN6P: D15.3 R55.2 U1.55 | length 73
  [L1] TOP w0.3: v1(80.3,54.5) 81.208,54.5 81.341,54.634 81.563,54.634 81.679,54.75 81.782,54.75 81.832,54.8 U1.55@83.03,54.8 ; v1(132.4,18.5) D15.3@133.4,18.5 133.4,18.815 133.25,18.965 133.11,18.965 132.7,19.375 R55.2@132.7,20.3
  [L4] BOTTOM w0.3: v1(80.3,54.5) 81.464,54.5 84.464,51.5 85.9,51.5 94.464,51.5 121.764,24.2 126.7,24.2 v1(132.4,18.5)
SDADC3_AIN8M: D13.3 R51.2 U1.54 | length 74.1
  [L1] TOP w0.3: v1(81.1,53.8) 81.235,53.8 81.569,54.134 81.77,54.134 81.886,54.25 81.989,54.25 82.039,54.3 U1.54@83.03,54.3 ; v1(132.4,12.3) D13.3@133.4,12.3 133.4,12.615 133.25,12.765 133.11,12.765 132.7,13.175 R51.2@132.7,14.1
  [L4] BOTTOM w0.3: v1(81.1,53.8) 81.235,53.8 81.642,53.394 81.864,53.394 84.257,51 85.9,51 94.257,51 132.378,12.88 132.378,12.322 v1(132.4,12.3)
SDADC3_AIN8P: D11.3 R47.2 U1.53 | length 79.1
  [L1] TOP w0.3: v1(81.574,52.694) 81.669,52.789 81.669,53.326 82.094,53.75 82.23,53.75 82.28,53.8 U1.53@83.03,53.8 ; v1(132.4,6.1) D11.3@133.4,6.1 133.4,6.415 133.25,6.565 133.11,6.565 132.7,6.975 R47.2@132.7,7.9
  [L4] BOTTOM w0.3: v1(81.574,52.694) 81.586,52.694 83.78,50.5 85.9,50.5 94.05,50.5 127.9,16.65 127.9,10.6 v1(132.4,6.1)
SPI_CS0: J3.03 U1.86 | length 11.7
  [L1] TOP w0.3: U1.86@76.48,66.35 76.48,69.494 80.56,73.574 J3.03@80.56,76.4
SPI_CS1: J3.02 U1.87 | length 10.9
  [L1] TOP w0.3: U1.87@75.98,66.35 75.98,69.701 78.02,71.741 J3.02@78.02,76.4
SPI_CS2: J3.01 U1.88 | length 10.5
  [L1] TOP w0.3: U1.88@75.48,66.35 75.48,69.908 76,70.428 76,75.88 J3.01@75.48,76.4
SPI_MISO: J3.05 U1.84 | length 13.9
  [L1] TOP w0.3: U1.84@77.48,66.35 77.48,69.08 77.6,69.2 84.617,76.217 85.457,76.217 J3.05@85.64,76.4
SPI_MOSI: J3.04 U1.85 | length 12.6
  [L1] TOP w0.3: U1.85@76.98,66.35 76.98,69.2 76.98,69.287 82.958,75.265 82.958,76.258 J3.04@83.1,76.4
SPI_SCK: J3.06 U1.47 | length 29.3
  [L1] TOP w0.3: v1(79.2,52.7) 79.296,52.604 79.512,52.604 79.98,52.136 U1.47@79.98,51.25
  [L4] BOTTOM w0.3: v1(79.2,52.7) 79.2,59.9 84.585,65.285 84.585,69.2 84.585,72.805 J3.06@88.18,76.4
SWCLK: J1.04 U1.76 | length 15.7
  [L1] TOP w0.3: U1.76@81.48,66.35 81.48,67.645 81.7,67.865 v1(81.7,68)
  [L4] BOTTOM w0.3: v1(81.7,68) 81.7,76.393 83.1,77.793 J1.04@83.1,81.4
SWDIO: J1.05 U1.72 | length 21.3
  [L1] TOP w0.3: v1(81.6,63.3) U1.72@83.03,63.3
  [L4] BOTTOM w0.3: v1(81.6,63.3) 81.7,63.3 84.085,65.685 84.085,76.238 85.64,77.793 J1.05@85.64,81.4
SWO: J1.03 U1.89 | length 17.4
  [L1] TOP w0.3: U1.89@74.98,66.35 74.98,71.042 75.3,71.362 v1(75.3,72.6)
  [L4] BOTTOM w0.3: v1(75.3,72.6) 75.3,73.719 76.965,75.384 76.965,76.065 76.965,77.805 J1.03@80.56,81.4
TERMINAL_DI0: OK1.1 R3.1 S1.10B | length 8.5
  [L1] TOP w0.3: S1.10B@50.07,140.19 52.22,138.04 52.22,137 OK1.1@52.87,136.35 56.25,136.35 R3.1@56.3,136.4
TERMINAL_DI1: OK3.1 R7.1 S1.9B | length 14.9
  [L1] TOP w0.3: S1.9B@52.61,140.19 55.025,137.775 60.654,137.775 61.129,137.3 61.62,137.3 62.27,136.65 OK3.1@62.27,136.35 65.65,136.35 R7.1@65.7,136.4
TERMINAL_DI2: OK5.1 R11.1 S1.8B | length 21.8
  [L1] TOP w0.3: S1.8B@55.15,140.19 56.965,138.375 60.903,138.375 61.378,137.9 70.445,137.9 71.67,136.675 OK5.1@71.67,136.35 75.05,136.35 R11.1@75.1,136.4
TERMINAL_DI3: OK7.1 R15.1 S1.7B | length 28.6
  [L1] TOP w0.3: S1.7B@57.69,140.19 58.905,138.975 61.151,138.975 61.626,138.5 79.245,138.5 81.07,136.675 OK7.1@81.07,136.35 84.45,136.35 R15.1@84.5,136.4
TERMINAL_DI4: OK9.1 R19.1 S1.6B | length 35.5
  [L1] TOP w0.3: S1.6B@60.23,140.19 60.475,139.945 61.055,139.945 61.9,139.1 88.045,139.1 90.47,136.675 OK9.1@90.47,136.35 90.52,136.4 R19.1@93.9,136.4
TERMINAL_DI5: OK2.1 R5.1 S1.5B | length 22.5
  [L1] TOP w0.3: OK2.1@52.87,124.55 52.92,124.6 v1(54.5,124.6) R5.1@56.3,124.6
  [L4] BOTTOM w0.3: v1(54.5,124.6) 54.5,126.1 62.77,134.37 S1.5B@62.77,140.19
TERMINAL_DI6: OK4.1 R9.1 S1.4B | length 19.6
  [L1] TOP w0.3: OK4.1@62.27,124.55 62.32,124.6 v1(63.9,124.6) R9.1@65.7,124.6
  [L4] BOTTOM w0.3: v1(63.9,124.6) 65.31,126.01 S1.4B@65.31,140.19
TERMINAL_DI7: OK6.1 R13.1 S1.3B | length 21.3
  [L1] TOP w0.3: OK6.1@71.67,124.55 71.72,124.6 v1(73.4,124.6) R13.1@75.1,124.6
  [L4] BOTTOM w0.3: S1.3B@67.85,140.19 67.85,134.85 73.4,129.3 v1(73.4,124.6)
TERMINAL_DI8: OK8.1 R17.1 S1.2B | length 24.7
  [L1] TOP w0.3: OK8.1@81.07,124.55 81.12,124.6 v1(82.7,124.6) R17.1@84.5,124.6
  [L4] BOTTOM w0.3: S1.2B@70.39,140.19 70.456,140.124 71.454,140.124 82.7,128.879 v1(82.7,124.6)
TERMINAL_DI9: OK10.1 R21.1 S1.1B | length 31.7
  [L1] TOP w0.3: OK10.1@90.47,124.55 90.52,124.6 v1(92.1,124.6) R21.1@93.9,124.6
  [L4] BOTTOM w0.3: S1.1B@72.93,140.19 81.01,140.19 92.1,129.1 v1(92.1,124.6)
TERMINAL_E0+: J8.7 R71.1 | length 18.3
  [L1] TOP w0.3: J8.7@107,144 110.845,140.155 118.37,140.155 122.1,136.425 R71.1@122.1,136.4
TERMINAL_E0-: J8.6 R77.1 | length 23.6
  [L1] TOP w0.3: R77.1@122.1,124.6 v1(122.1,125.9)
  [L4] BOTTOM w0.3: J8.6@112,144 122.1,133.9 v1(122.1,125.9)
TERMINAL_E1+: J8.5 R82.1 | length 17.7
  [L1] TOP w0.3: J8.5@117,144 120.845,140.155 127.77,140.155 131.5,136.425 R82.1@131.5,136.4
TERMINAL_E1-: J8.4 R86.1 | length 23.3
  [L1] TOP w0.3: R86.1@131.5,124.6 v1(131.5,125.9)
  [L4] BOTTOM w0.3: J8.4@122,144 131.404,134.596 131.404,125.996 v1(131.5,125.9)
TERMINAL_E2+: J8.3 R72.1 | length 17.1
  [L1] TOP w0.3: J8.3@127,144 130.845,140.155 137.17,140.155 140.9,136.425 R72.1@140.9,136.4
TERMINAL_E2-: J8.2 R78.1 | length 23.1
  [L1] TOP w0.3: R78.1@140.9,124.6 v1(140.9,125.9)
  [L4] BOTTOM w0.3: J8.2@132,144 132,143.4 140.9,134.5 v1(140.9,125.9)
TERMINAL_IC0: J8.12 R70.1 | length 24.5
  [L1] TOP w0.3: J8.12@82,144 85.845,140.155 99.57,140.155 103.3,136.425 R70.1@103.3,136.4
TERMINAL_IC1: J8.11 R76.1 | length 26.2
  [L1] TOP w0.3: R76.1@103.3,124.6 v1(103.3,125.9)
  [L4] BOTTOM w0.3: J8.11@87,144 87,143.7 103.3,127.4 v1(103.3,125.9)
TERMINAL_IC2: J8.10 R81.1 | length 23.9
  [L1] TOP w0.3: J8.10@92,144 95.245,140.755 108.37,140.755 112.7,136.425 R81.1@112.7,136.4
TERMINAL_IC3: J8.9 R85.1 | length 25.9
  [L1] TOP w0.3: R85.1@112.7,124.6 v1(112.7,125.9)
  [L4] BOTTOM w0.3: J8.9@97,144 97,143.378 97.587,142.79 97.587,142.713 112.7,127.6 v1(112.7,125.9)
TERMINAL_SDADC0: F12.1 J10.1 | length 9.3
  [L1] TOP w0.5: F12.1@60.699,12.412 60.887,12.224 61.076,12.224 J10.1@67.3,6
TERMINAL_SDADC1: F14.1 J10.2 | length 8.6
  [L1] TOP w0.5: F14.1@66.899,12.412 66.899,11.401 J10.2@72.3,6
TERMINAL_SDADC2: F16.1 J10.3 | length 8.2
  [L1] TOP w0.5: F16.1@73.099,12.412 73.137,12.412 77.3,8.249 J10.3@77.3,6
TERMINAL_SDADC3: F18.1 J10.4 | length 7.7
  [L1] TOP w0.5: F18.1@79.3,12.425 79.338,12.425 82.3,9.463 J10.4@82.3,6
TERMINAL_SDADC4: F20.1 J10.5 | length 7.2
  [L1] TOP w0.5: F20.1@85.499,12.412 85.537,12.412 87.3,10.649 J10.5@87.3,6
TERMINAL_SDADC5: F22.1 J10.6 | length 6.7
  [L1] TOP w0.5: F22.1@91.7,12.412 91.737,12.412 92.3,11.849 J10.6@92.3,6
TERMINAL_SDADC6: F13.1 J10.7 | length 6.7
  [L1] TOP w0.5: J10.7@97.3,6 97.3,6.568 97.899,7.167 F13.1@97.899,12.412
TERMINAL_SDADC7: F15.1 J10.8 | length 7.2
  [L1] TOP w0.5: J10.8@102.3,6 104.14,7.84 F15.1@104.14,12.413
TERMINAL_SDADC8: F17.1 J10.9 | length 7.7
  [L1] TOP w0.5: J10.9@107.3,6 110.3,9 F17.1@110.3,12.412
TERMINAL_SDADC9: F19.1 J10.10 | length 8.2
  [L1] TOP w0.5: J10.10@112.3,6 116.5,10.2 F19.1@116.5,12.412
TERMINAL_SDADC10: F21.1 J10.11 | length 8.6
  [L1] TOP w0.5: J10.11@117.3,6 122.7,11.4 F21.1@122.7,12.412
TERMINAL_SDADC11: F23.1 J10.12 | length 10.1
  [L1] TOP w0.5: J10.12@122.3,6 122.45,6.15 124.05,6.15 128.9,11 F23.1@128.9,12.4
TERMINAL_SDDADC0N: F4.1 J7.2 | length 8.1
  [L1] TOP w0.3: F4.1@137.575,14.1 137.575,14.138 137.862,14.425 137.9,14.425 141.575,18.1 J7.2@144,18.1
TERMINAL_SDDADC0P: F2.1 J7.1 | length 8.6
  [L1] TOP w0.3: F2.1@137.587,7.9 137.587,7.937 137.875,8.225 137.913,8.225 141.638,11.95 142.85,11.95 J7.1@144,13.1
TERMINAL_SDDADC1N: F8.1 J7.4 | length 7.1
  [L1] TOP w0.3: F8.1@137.575,26.5 137.575,26.538 137.862,26.825 137.9,26.825 139.175,28.1 J7.4@144,28.1
TERMINAL_SDDADC1P: F6.1 J7.3 | length 7.6
  [L1] TOP w0.3: F6.1@137.587,20.3 137.587,20.338 137.875,20.625 137.912,20.625 140.387,23.1 J7.3@144,23.1
TERMINAL_SDDADC2N: F11.1 J7.6 | length 6.8
  [L1] TOP w0.3: F11.1@137.575,38.9 142.578,38.9 143.378,38.1 J7.6@144,38.1
TERMINAL_SDDADC2P: F10.1 J7.5 | length 6.6
  [L1] TOP w0.3: F10.1@137.587,32.7 137.787,32.9 143.8,32.9 J7.5@144,33.1
TERMINAL_SDDADC3N: F5.1 J7.8 | length 7.8
  [L1] TOP w0.3: F5.1@137.575,51.3 140.8,51.3 J7.8@144,48.1
TERMINAL_SDDADC3P: F3.1 J7.7 | length 7.3
  [L1] TOP w0.3: F3.1@137.575,45.1 142,45.1 J7.7@144,43.1
TERMINAL_SDDADC4N: F9.1 J7.10 | length 8.7
  [L1] TOP w0.3: F9.1@137.587,63.7 138.4,63.7 J7.10@144,58.1
TERMINAL_SDDADC4P: F7.1 J7.9 | length 8.2
  [L1] TOP w0.3: F7.1@137.587,57.5 139.6,57.5 J7.9@144,53.1
USB_N: U1.70 X1.2 | length 59
  [L1] TOP w0.3: U1.70@83.03,62.3 83.916,62.3 84.735,61.481 98.39,61.481 100.64,59.231 123.03,59.231 127.83,64.032 127.83,66.066 133.402,71.638 134.282,71.638 X1.2@134.39,71.53
USB_P: R1.2 U1.71 X1.3 | length 61.6
  [L1] TOP w0.3: U1.71@83.03,62.8 83.78,62.8 83.83,62.75 84.103,62.75 84.922,61.931 98.576,61.931 100.826,59.681 122.843,59.681 127.38,64.218 127.38,66.252 133.672,72.544 135.176,72.544 136.19,71.53 X1.3@136.39,71.53
VDC: C35.1 F24.2 J11.1 Q9.3 Q10.3 Q11.3 U5.4 U6.8 | length 85
  [L1] TOP w0.5: J11.1@26.1,6 26.125,6.025 26.125,13.025 26.45,13.35 26.519,13.35 27.169,14 30.074,14 31.044,13.03 F24.2@31.044,12.7 v1(32.4,12.7) ; v1(50.2,23.1) Q11.3@51.3,23.1 ; v1(55.2,23.1) Q9.3@56.3,23.1 ; v1(56.1,35.8) U5.4@56.1,37.475 ; v1(65.1,23.1) Q10.3@66.2,23.1 ; v1(70.5,34.2) 70.503,34.198 70.503,32.528 U6.8@70.505,32.525
  [L3] POWER w0.5: v1(32.4,12.7) 37.629,17.929 45.36,17.929 50.143,22.711 50.143,23.043 v1(50.2,23.1) 54.5,23.1 ; v1(56.1,35.8) 56.019,35.8 54.5,34.281 54.5,23.1 ; v1(70.5,34.2) 70.5,28.5 v1(65.1,23.1) v1(55.2,23.1) 54.5,23.1
pads on no net: D11.2 D12.2 D13.2 D14.2 D15.2 D16.2 D17.2 D18.2 D19.2 D20.2 D22.2 D23.2 D24.2 D25.2 D26.2 D27.2 D28.2 D29.2 D30.2 D31.2 D32.2 D33.2 U1.19 U1.27 U1.65 U1.66 U1.67 U1.73 U1.77 U1.80 U1.83 U1.97 U1.98 U2.10 U2.11 U2.12 U2.13 U4.5 U4.8

## Polygon pours and split planes (outlines as drawn)
GND on [L2] GND "GND_L02_P001" (solid, remove dead copper, pour order 1): 0,0 0,150 150,150 150,0
GND on [L3] POWER "GND_L03_P002" (solid, remove dead copper, pour order 2): 0,0 0,150 150,150 150,0
GND on [L4] BOTTOM "GND_BOTTOM_P003" (solid, remove dead copper, pour order 3): 0,0 0,150 150,150 150,0
GND on [L1] TOP "GND_TOP_P000" (solid, remove dead copper, pour order 0): 0,0 0,150 150,150 150,0

## Keep-outs
Keep-Out Layer:
  the board outline again, w0.2

## Silkscreen, mask and mechanical layers (free items; w line width, h text height)
Top Overlay:
  text "3.3V RST SWO CLK DIO GND" at 74.802,83.2 h0.6
  text "STLINK2" at 66.251,80.9 h1
  text "CS2 CS1 CS0 MOSI MISO CLK GND 3.3V" at 74.503,74 h0.6
  text "USB" at 87,36.067 h1 r90
  text "CAN" at 90,36.067 h1 r90
  text "ERROR" at 93,34.067 h1 r90